# KiCad board FPGA_dev_board.kicad_pcb (continued)
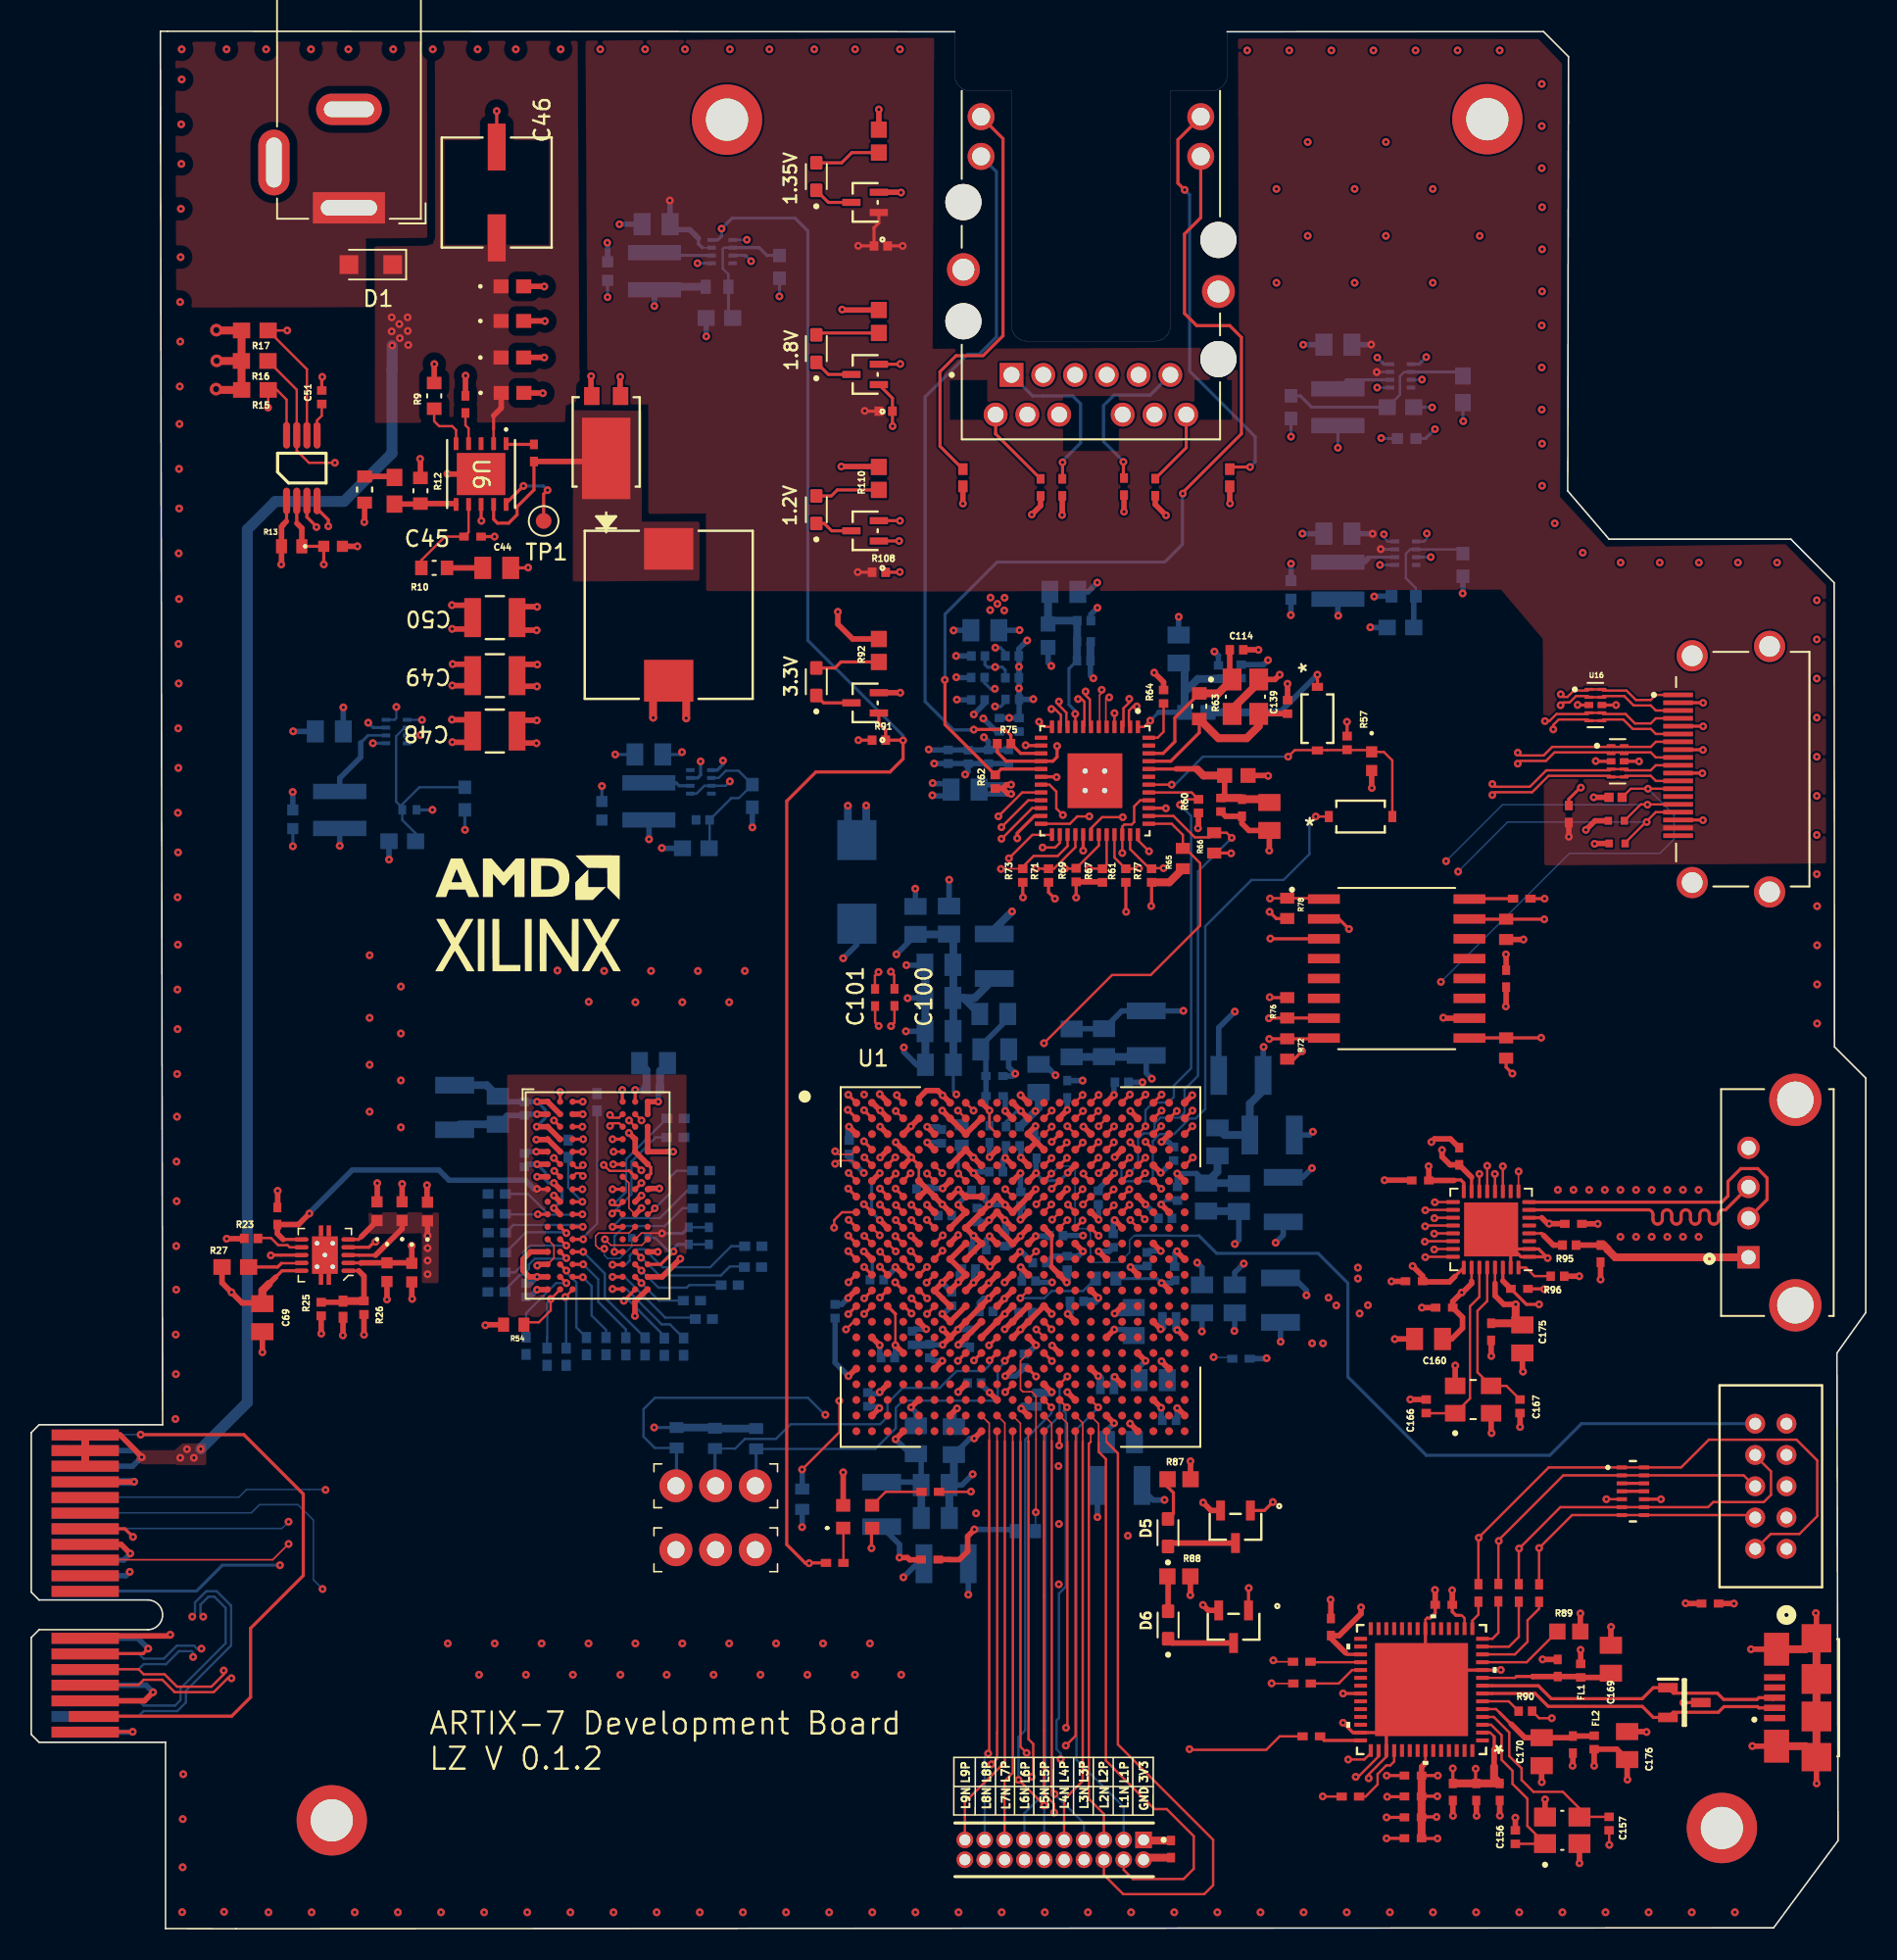
[diagram p0: board, top side]
## Routing (per net, layer and track width the routed paths; a pad name or vN(x,y) marks a point on that pad's centre or on a via; arc(x,y) is an arc through that point) (continued)
  Bottom w0.5: 52.23,69.62 v1(52.23,71.8) ; C95.1 76.33,50.75 C183.1 77.94,52.74 78.79,53.6 C148.2 ; v1(68.25,40.33) 68.03,40.11 67.3,40.11 ; C89.1 27.43,51.44 ; C189.1 77.21,45.88 C188.1 ; v1(6.58,28.58) 6.57,28.57 J2.A4 ; v1(63.32,33.26) 63.45,33.4 C180.1 ; C5.2 57.19,61.6 C4.2 ; C73.1 59.01,28.67 ; C18.2 61.59,63.9 v1(62.73,65.04) ; C187.1 69.25,35.24 v1(69.29,35.28) ; C76.1 57.42,37.34 C85.1 ; 67.24,54.23 v1(67.24,54.23) ; 59.29,34.32 v1(59.28,34.32) ; 53.4,69.63 v1(53.4,71.81) ; 58.72,26.26 58.72,28.36 ; v1(72.24,38.34) 72.34,38.44 C97.1 ; C86.1 40.22,54.86 ; C120.2 67.74,82.27
  vias: v1(9.29,49.05) v1(9.3,46.52) v1(9.27,43.65) v1(9.27,40.86) v1(9.24,37.99) v1(9.25,35.46) v1(9.22,32.59) v1(9.4,76.75) v1(9.41,74.22) v1(9.38,71.35) v1(9.39,68.82) v1(9.36,65.95) v1(9.38,62.92) v1(9.35,60.05) v1(9.36,57.52) v1(9.33,54.65) v1(9.32,51.92) v1(9.5,98.61) v1(9.48,96.21) v1(9.45,93.34) v1(9.46,90.81) v1(9.43,87.94) v1(9.45,85.02) v1(9.42,82.15) v1(9.43,79.62) v1(9.59,115.37) v1(9.6,112.84) v1(9.57,109.97) v1(9.55,106.88) v1(9.52,104.01) v1(9.53,101.48) v1(9.62,120.17) v1(9.62,118.24) v1(9.69,7.01) v1(9.68,3.93) v1(9.65,1.06) v1(9.72,9.88) v1(12.33,1.08) v1(12.49,120.17) v1(15.02,120.17) v1(15.17,1.05) v1(15.32,43.05) v1(17.89,120.17) v1(17.93,1.05) v1(18.24,89.62) v1(19,89.67) v1(20.28,120.17) v1(20.69,1.05) v1(21.64,62.24) v1(21.64,58.24) v1(21.64,55.24) v1(21.64,52.24) v1(22.02,43.92) v1(23.15,120.17) v1(23.45,1.05) v1(23.64,60.24) v1(23.64,57.24) v1(23.64,54.24) v1(23.64,51.24) v1(24.36,40.27) v1(24.87,93.98) v1(25.68,120.17) v1(25.78,100.04) v1(26.21,1.05) v1(26.64,18.24) v1(26.91,84.63) v1(26.91,77.31) v1(26.92,83.11) v1(26.95,80.86) v1(26.93,79.49) v1(26.93,75.87) v1(27.78,99.3) v1(28.55,120.17) v1(28.64,16.24) v1(28.97,1.05) v1(29.64,18.24) v1(30.99,120.17) v1(31.64,16.24) v1(31.72,1.05) v1(32.64,18.24) v1(32.72,98.18) v1(32.85,102.79) v1(32.81,100.46) v1(33.65,61.27) v1(33.86,120.17) v1(34.48,1.05) v1(34.64,16.24) v1(35.65,59.27) v1(35.64,18.24) v1(35.81,99.27) v1(36.39,120.17) v1(36.64,61.24) v1(37.24,1.05) v1(37.67,99.23) v1(37.68,16.24) v1(38.64,59.24) v1(38.64,18.24) v1(39.26,120.17) v1(39.64,61.24) v1(40,1.05) v1(40.64,16.24) v1(41.64,59.24) v1(41.64,18.24) v1(41.81,120.17) v1(42.64,61.24) v1(42.76,1.05) v1(43.64,16.24) v1(44.68,120.17) v1(44.68,73.36) v1(44.64,59.24) v1(44.64,18.24) v1(45.52,1.05) v1(45.64,61.24) v1(46.64,16.24) v1(47.21,120.17) v1(47.64,18.24) v1(48.28,1.05) v1(49.64,16.24) v1(50.08,120.17) v1(50.64,18.24) v1(51.03,1.05) v1(52.69,120.17) v1(52.68,16.24) v1(53.27,53.34) v1(53.64,18.24) v1(53.79,1.05) v1(55.56,120.17) v1(55.64,16.24) v1(56.55,1.05) v1(57.65,73.25) v1(57.63,72.47) v1(59.31,1.05) v1(62.07,1.05) v1(62.55,77.42) v1(63.17,80.69) v1(63.17,79.31) v1(64.83,1.05) v1(67.58,1.05) v1(70.34,1.05) v1(73.1,1.05) v1(75.86,1.05) v1(77.77,120.1) v1(78.62,1.05) v1(79.64,111.24) v1(79.64,105.24) v1(80.46,120.1) v1(81.38,1.05) v1(81.64,114.24) v1(81.64,108.24) v1(83.1,21.04) v1(83.15,120.1) v1(84.14,1.05) v1(84.64,111.24) v1(84.64,105.24) v1(85.84,120.1) v1(86.64,114.24) v1(86.64,108.24) v1(86.68,7.12) v1(86.68,5.78) v1(86.72,8.44) v1(86.89,1.05) v1(88.54,120.1) v1(89.64,111.24) v1(89.64,105.24) v1(89.65,1.05) v1(91.23,120.1) v1(92.44,7.22) v1(92.41,1.05) v1(92.64,108.24) v1(93.92,120.1) v1(93.93,7.23) v1(95.17,1.05) v1(96.61,117.95) v1(96.61,115.26) v1(96.61,112.57) v1(96.63,110.07) v1(96.63,107.38) v1(96.63,104.69) v1(96.61,102.51) v1(96.61,99.82) v1(96.61,97.13) v1(96.63,94.95) v1(96.63,92.26) v1(97.44,89.86) v1(97.64,47.24) v1(97.93,1.05) v1(98.64,47.24) v1(99.11,72.96) v1(99.23,87.98) v1(99.64,47.24) v1(100.64,47.24) v1(100.69,1.05) v1(101.65,87.35) v1(101.64,47.24) v1(101.64,44.24) v1(102.64,47.24) v1(102.64,44.24) v1(103.45,1.05) v1(103.64,47.24) v1(103.64,44.24) v1(104.15,87.35) v1(104.64,47.24) v1(104.64,44.24) v1(105.64,47.24) v1(105.64,44.24) v1(106.2,1.05) v1(106.66,87.35) v1(106.64,47.24) v1(106.64,44.24) v1(106.88,73.88) v1(106.93,76.88) v1(106.92,75.37) v1(106.92,70.88) v1(108.96,1.05) v1(109.16,87.35) v1(111.66,87.35) v1(114.2,84.94) v1(114.2,82.44) v1(114.2,79.94) v1(114.2,77.44) v1(114.2,74.93) v1(114.2,72.43) v1(114.2,69.93) v1(114.2,67.43) v1(114.22,65.38) v1(114.22,62.88) v1(114.22,60.38) v1(114.22,57.88)
VCC1V0: length 55
  Top w0.15: U1.F7 58.77,47.81
  Top w0.2: U1.T10 v1(61.26,37.3) ; U1.N7 58.77,40.81
  Top w0.35: 58.77,40.81 v1(59.29,41.34) 59.77,41.81 U1.M8 U1.L7 U1.K8 ; 59.79,45.78 v1(59.29,46.28) ; U1.D10 61.77,49.81 v1(61.29,49.34) ; U1.J7 U1.H8 ; 57.78,49.8 v1(57.3,50.27) ; U1.E8 59.77,48.81 v1(60.27,48.31) 60.77,47.81 U1.F9 ; U1.N11 62.77,40.81 v1(62.24,40.28) 61.77,39.81 U1.P10 ; v1(58.27,39.31) 58.77,38.81 U1.R7 U1.P8 ; U1.T8 U1.R9 ; 62.77,42.81 v1(63.24,43.28) ; 59.79,37.84 v1(59.29,37.34) ; U1.J9 U1.H10 61.77,45.81 v1(62.27,45.31) 62.77,44.81 U1.J11 ; 58.77,47.81 v1(58.29,47.34)
  Bottom w0.2: C5.1 58.97,53.54 v1(59.17,53.35)
  Bottom w0.35: v1(58.27,39.31) 58.36,39.31 C16.1 ; v1(60.27,48.31) 60.36,48.4 61.28,48.4 ; v1(55.33,62.3) 56.55,63.52 C2.1 ; C14.1 59.29,41.95 v1(59.29,41.34) ; C3.1 57.52,47.34 v1(58.29,47.34) ; v1(59.29,46.28) 59.29,46.36 C11.1 ; v1(63.24,43.28) 63.35,43.28 C9.1 ; 60.47,45.31 60.39,45.22 ; v1(61.29,49.34) 61.29,50.14 61.25,50.19 ; v1(59.29,37.34) 59.89,37.34 C142.1 ; v1(57.3,50.27) 58.16,50.27 C13.1 ; C15.1 62.26,45.3 v1(62.27,45.31) 62.23,45.27 ; C33.1 46.12,70.41 ; v1(61.27,45.31) 61.16,45.2 C10.1 ; v1(51.93,62.05) 52.8,62.92 C1.1 ; 39.5,70.9 L2.2 39.51,70.88 39.51,69.65
  Bottom w0.5: C140.1 59.64,59.51 C7.1 60.34,59.51 C18.1 ; C5.1 58.97,63.32 C6.1 58.68,63.57 C2.1 ; 52.8,64.13 C1.1
  vias: v1(39.51,69.66) v1(46.12,70.42)
VCC1V0_EN: length 53.3
  Top w0.15: v1(15.14,97.26) 15.16,97.28 R15.1 15.71,98.39 16.33,97.77 U4.8
  In5.Cu w0.15: v1(44.24,74.69) 43.36,73.81 31.06,73.81 23.51,81.36 17.22,81.36 15.14,83.44 v1(15.14,97.26)
  Bottom w0.2: v1(44.24,74.69) 44.24,74.44 43.88,74.08 U3.1
VCC1V2: length 38.1
  Top w0.1: 72.56,71.65 v1(72.57,71.64)
  Top w0.15: U1.B7 58.77,51.81 ; 67.78,69.95 67.78,70.36 68.49,71.07 v1(69.81,71.07) ; 59.77,50.81 U1.C8 59.77,50.81 59.77,50.81 ; v1(64.68,69.13) 65.49,69.13 65.78,69.42 65.78,69.95
  Top w0.2: 64.58,71.15 64.16,71.15 63.06,70.05 v1(63.06,69.72) ; 64.58,73.65 65.56,73.65 v1(65.58,73.63) ; 64.58,75.65 63.62,75.65 v1(63.6,75.67) ; U11.39 72.56,71.65
  Top w0.35: 59.77,50.81 U1.B7 ; U1.C4 U1.B5 ; v1(79.11,73.71) 79.08,73.73 FB3.2 ; U1.B9 60.77,51.81 59.77,50.81 ; 62.77,51.81 v1(62.29,52.28) ; 58.77,51.81 v1(58.27,52.31)
  Bottom w0.2: v1(89.6,97.27) 89.58,97.28 R19.1 ; 63.2,83.03 v1(63.21,83.03) ; C132.1 62.31,78.45 62.01,78.15 v1(61.64,78.15) ; L6.2 v1(83.57,94.69) ; C137.1 62.3,80.47 62.1,80.67 v1(61.65,80.67) 61.64,80.66 61.16,80.66 61,80.82 C115.1 ; C131.1 60.98,79.65 61.35,79.28 v1(61.63,79.28) ; v1(89.78,95.88) 89.19,95.28 C58.1 ; C130.1 60.98,78.34 ; C134.1 62.3,81.59 61.98,81.91 v1(61.66,81.91) 61.66,81.82 ; C57.1 v1(80.57,95.4) ; C133.1 61.72,76.55
  Bottom w0.35: C138.1 63.2,83.03 ; 60.98,78.34 v1(60.28,77.64) ; C145.1 62.29,53.1 v1(62.29,52.28) ; v1(58.27,52.31) 59.18,51.4 R68.1 ; 61.72,76.55 v1(60.89,77.38) ; C143.1 62.52,55.09 v1(62.94,54.67) 62.79,54.52 C144.1 ; FB2.2 65.03,80.94 v1(65.24,80.74)
  vias: v1(56.26,51.3) v1(61.35,85.11) v1(61.33,84.31) v1(61.79,84.71) v1(62.25,85.1) v1(62.23,84.29)
VCC1V8: length 57.9
  Top w0.15: 91.55,40.68 v1(91.49,40.68) ; U12.43 85.67,11.23 85.26,10.82 v1(84.23,10.82) ; 93.57,12.28 93.31,12.54 U12.2 ; 92.12,41.4 U13.26 ; U13.29 93.62,41.27
  Top w0.2: C165.1 91.18,48.84 ; 84.06,17.64 84.16,17.54 U12.31 ; 93.56,11.48 93.57,11.49 93.57,12.28 ; 92.38,9.27 v1(92.38,10.23) ; C155.1 v1(90.92,10.25) ; U13.15 92.12,48.05
  Top w0.35: 84.06,17.64 83.12,18.58 C173.1 83.65,18.74 85.05,20.14 v1(85.05,20.55) ; U1.E12 63.77,48.83 v1(63.29,49.31) ; 63.75,41.82 v1(63.28,42.3) ; U1.K12 63.77,43.81 v1(64.24,44.28) ; U1.H12 63.3,45.34 v1(63.27,45.34) ; C160.1 90.85,37.71 91.54,38.4 91.54,39.09 C174.1 90.92,40.11 v1(91.49,40.68) ; 92.12,41.4 92.12,41.25 91.55,40.68 ; 92.12,48.05 C165.1 ; 93.56,11.48 93.56,10.36 ; v1(94.94,39.92) 94.18,39.92 93.62,40.48 93.62,41.27 ; 61.77,43.8 v1(61.29,44.28) ; 91.18,48.84 90.75,48.84 90.23,49.36 v1(90.23,49.79) ; U1.K10 61.77,43.81 ; U1.P12 63.74,39.81 62.77,38.84 U1.R11 62.74,38.81 v1(62.26,38.33)
  Top w0.5: C155.1 C153.1 93.56,9.65 93.56,10.36 ; C161.1 95.27,38.71 C175.1 94.94,39.03 v1(94.94,39.92)
  Bottom w0.35: C19.1 71.31,54.71 v1(71.67,54.35) ; L1.2 83.57,83.97 v1(83.59,83.95) ; v1(62.26,38.33) 63.16,39.22 C26.1 ; C28.1 65.08,44.28 v1(64.24,44.28) ; v1(85.89,85.18) 85.91,85.2 R1.1 ; C27.1 63.36,42.22 v1(63.28,42.3) ; v1(63.29,49.31) 63.29,49.98 C24.1 ; 63.3,45.37 v1(63.27,45.34) 63.27,46.21 ; v1(80.56,83.99) 80.57,84 C34.1 ; v1(61.29,44.28) 61.08,44.07 61.08,43.41 ; C32.1 91.57,85.4 v1(91.55,85.38)
  Bottom w0.5: C20.1 64.43,52.48 63.23,51.28 C29.1 ; 66.54,55.75 71.22,55.75 C19.1
  vias: v1(64.22,52.28)
VCC1V8_EN: length 85.7
  Top w0.15: R16.1 16.98,98.4 U4.7 16.98,94.51 17.76,93.73 v1(19.42,93.73)
  In5.Cu w0.15: v1(19.42,93.73) 21.15,95.46 37.33,95.46 38.13,94.66 38.78,94.66 41.82,91.62 56.21,91.62 59.5,88.33 75.41,88.33 75.66,88.08 83.09,88.08 84.65,86.52 86.57,86.52 v1(89.26,89.21)
  Bottom w0.15: v1(89.26,89.21) 89.26,88.89 89.07,88.7 U2.1
VCC1V35: length 78.5
  Top w0.1: U9.G7 38.22,47.68 38.22,46.08 U9.K8
  Top w0.15: U1.F2 53.77,47.81
  Top w0.2: 38.62,52.91 v1(38.62,53.63) ; U10.2 21.09,42.57 ; U1.J3 54.77,44.81
  Top w0.35: U9.C9 U9.D9 U9.E9 40.64,49.68 v1(41.05,49.68) ; 39.4,43.28 v1(40.08,43.28) ; U1.H6 57.77,45.81 v1(57.29,46.28) ; U1.W3 54.77,34.81 v1(54.27,34.31) ; v1(40.17,47.33) 39.58,47.33 39.53,47.28 ; U9.R9 40.35,41.68 v1(41.51,42.84) ; U9.D2 U9.C1 ; U9.R1 v1(32.35,41.68) 31.85,41.68 31.45,42.08 31.45,42.8 31.93,43.28 33.06,43.28 ; U1.T2 53.77,37.81 v1(54.27,37.31) ; 55.79,41.78 v1(55.27,42.31) ; U1.C1 v1(52.3,51.28) ; v1(24.33,43.67) 24.34,43.66 C64.1 24.31,42.58 C65.1 21.1,42.58 21.09,42.57 ; U9.K8 v1(39.03,46.08) ; U9.K2 v1(33.42,46.08) ; 52.75,40.83 v1(52.25,40.33) ; U9.H2 v1(33.42,47.68) ; 53.77,47.81 v1(54.27,48.31) ; v1(57.24,38.34) 56.77,38.81 U1.R5 ; 54.77,44.81 v1(54.27,45.31) ; U9.F1 v1(32.35,48.88) ; v1(32.35,52.88) U9.A1 U9.B2 ; 57.74,35.78 v1(58.27,36.31) ; R25.1 18.54,38.03 ; 55.75,31.77 v1(55.28,31.3) ; 58.73,32.79 v1(59.21,33.27) ; 33,51.28 v1(32.33,51.28)
  Bottom w0.2: v1(32.35,52.88) 32.88,52.35 32.88,51.83 v1(32.33,51.28) ; v1(54.27,48.31) 53.74,47.78 53.74,45.84 54.27,45.31 v1(54.27,45.31) ; v1(32.35,48.88) 32.87,48.36 32.87,47.9 33.09,47.68 v1(33.42,47.68) 33.95,47.16 33.95,46.6 v1(33.42,46.08) ; R14.1 25.66,71.53 v1(25.66,71.54) ; C54.1 27.73,70.27 v1(27.74,70.26) ; 56.92,28.36 C79.2 ; 39.3,53.63 C86.2 ; 52.31,51.27 v1(52.3,51.28) ; C55.1 v1(16.73,69.21)
  Bottom w0.35: v1(38.62,53.63) 39.3,53.63 ; v1(32.35,48.88) 31.72,48.88 C87.2 ; C89.2 30.19,52.88 C60.2 31.55,52.88 v1(32.35,52.88) ; C88.2 31.94,41.26 v1(32.35,41.68) ; C82.2 55.27,42.24 v1(55.27,42.31) ; C85.2 56.49,38.34 v1(57.24,38.34) ; v1(54.27,34.31) 54.16,34.2 53.58,34.2 C84.2 ; v1(58.27,36.31) 57.66,36.31 C76.2 ; C72.2 56.65,23.34 v1(55.78,22.47) ; v1(55.28,31.3) 56.22,30.37 56.58,30.37 56.92,30.03 C79.2 56.73,28.55 C78.2 ; C81.2 51.83,39.91 v1(52.25,40.33) ; v1(59.21,33.27) 59.01,33.07 C73.2 ; v1(54.27,37.31) 54.27,36.6 C75.2 ; L5.2 v1(19.73,69.24) ; 58.03,45.55 v1(57.29,46.28)
  Bottom w0.5: C91.2 29.13,53.93 C89.2 ; C80.2 56.92,28.36 ; C83.2 52.31,51.27 ; C86.2 39.34,54.9 C90.2
  vias: v1(18.55,38.05)
VCC3V3: length 220.8
  Top w0.15: U12.44 86.17,11.01 84.87,9.71 v1(84.71,9.71) ; U11.40 70.93,72.15 70.54,71.76 70.54,70.76 70.38,70.6 69.91,70.6 69.78,70.47 v1(69.78,68.78) ; 64.58,74.65 64.85,74.65 ; 91.35,20.04 91.49,20.04 91.67,19.86 U12.16 ; 58.73,23.61 58.74,23.6 ; U12.50 89.17,10.6
  Top w0.2: C172.1 90.89,20.27 91.12,20.04 91.35,20.04 ; 91.04,47.88 91.43,47.88 91.62,47.69 U13.16 ; 15.63,41.66 16.04,42.07 U10.10 ; 88.9,5.77 89.94,5.77 ; v1(65.47,65.86) 65.06,66.27 R71.1 ; v1(63.43,65.94) 63.42,65.95 R73.1 ; U12.36 v1(83.9,15.04) ; v1(84.28,63.92) 83.64,64.56 IC1.2 ; v1(70.03,65.02) 70.01,65.04 R61.1 ; 59.36,23.6 59.39,23.63 ; 98.07,45.08 C159.1 ; v1(96.44,39.92) 95.63,39.92 C163.1 ; 64.58,74.65 62.36,74.65 61.78,75.22 R75.1 ; 74.15,29.88 v1(74.14,29.89) ; R78.2 79.63,64.59 v1(79.2,65.02) ; v1(65.61,75.62) 65.61,74.92 65.34,74.65 64.85,74.65 ; U13.30 94.12,41.43 ; v1(84.15,77.17) 84.16,77.16 R57.1 ; v1(79.21,59.56) 79.24,59.53 R76.2 ; v1(71.63,65.39) 71.66,65.41 R77.1 ; 88.89,8.47 89.93,8.47 ; U13.25 91.06,41.71 ; 94.33,62.29 v1(94.32,62.3) ; U13.6 96.61,45.46 ; C150.1 89.96,9.79 v1(89.96,9.79) ; v1(94.73,54.68) 94.33,55.08 R70.2 ; R69.1 v1(66.83,65.93) ; R66.1 76.72,68.78 v1(76.74,68.76) ; 54.19,93.49 R110.2 ; 65.26,42.32 65.26,44.32 ; v1(81.28,56.11) 80.77,55.6 R72.2 ; D4.1 v1(82.26,80.18) ; 65.77,31.81 65.77,31.16 ; 88.84,7.15 89.88,7.15 ; 99.1,17.82 v1(99.09,17.83) ; 74.14,21.34 v1(74.13,21.33)
  Top w0.35: 70.77,46.81 v1(71.27,46.31) ; C150.1 88.92,10.35 89.17,10.6 ; 91,47.84 C162.1 89.39,48.74 v1(89.37,48.75) ; R106.1 100.01,70.84 v1(99.43,70.26) ; 94.12,41.43 C163.1 ; 65.26,44.32 U1.J13 ; 60.32,25.52 59.89,25.09 59.89,24.13 59.39,23.63 ; FL1.1 99.1,17.82 ; R92.2 52.53,82.47 51.59,83.41 v1(51.59,84.2) ; 67.77,45.83 v1(68.27,45.34) ; v1(72.29,50.31) 72.77,50.79 U1.C21 ; v1(73.29,38.28) 73.32,38.28 73.77,37.84 ; v1(69.29,49.34) 69.77,49.81 U1.D18 ; v1(62.67,72.56) 62.48,72.56 62.14,72.91 ; 69.79,39.84 v1(69.29,39.34) ; R88.2 74.14,21.34 ; C146.1 94.33,62.29 ; v1(88.35,42.37) 88.99,41.73 C164.1 89.03,41.36 90.71,41.36 91.06,41.71 ; 65.75,41.8 v1(66.23,41.32) ; C193.2 58.73,23.61 ; v1(99.08,20.16) 99.08,20.16 R89.1 ; R112.2 51.89,103.5 v1(51.86,103.53) ; U1.M14 65.26,42.32 ; 62.14,72.91 62.38,73.15 v1(62.67,73.15) ; 62.14,72.91 R62.1 ; v1(99.96,10.42) FL2.1 101.41,11.48 C176.1 102.07,9.55 v1(102.09,9.53) ; v1(73.29,48.28) 73.77,47.81 ; v1(64.27,48.31) 63.77,47.81 U1.F12 ; 71.75,33.82 v1(72.27,33.31) ; 71.74,43.84 v1(72.24,43.34) ; v1(95.44,63.25) R74.2 ; v1(51.81,93.49) 54.19,93.49 ; 67.74,35.84 v1(68.24,35.34) ; C69.1 14.73,40.01 13.49,40.01 v1(12.81,40.69) 12.2,41.3 R27.1 ; 65.76,51.85 v1(66.26,52.35) ; U1.L17 68.27,43.31 v1(68.27,43.31) ; 61.77,33.81 v1(61.29,34.28) ; 64.75,34.82 v1(65.27,34.31) ; v1(12.5,44.12) 13.6,44.12 R23.1 ; J2.B8 5.75,24.57 v1(6.33,23.99) ; R87.2 74.15,29.88 ; C172.1 90.89,21.63 v1(90.88,21.64) ; R107.1 100.01,69.39 v1(99.99,69.37) ; R58.2 76.66,91.15 v1(76.67,91.13) ; U1.E15 66.77,48.81 v1(66.29,48.34) ; R97.1 v1(99.93,72.34) ; v1(97.09,45.08) 98.07,45.08 ; 63.75,37.82 v1(64.27,37.31) ; 68.75,52.81 v1(69.25,53.31) ; v1(54.21,116.32) R113.2 ; 66.8,38.8 v1(66.29,39.31) ; v1(108.9,20.79) C147.1 ; v1(74.62,70.36) 74.66,70.4 R60.1 ; 58.74,23.6 59.36,23.6 ; 68.78,32.8 v1(69.25,32.32) ; Y4.4 v1(51.93,29.18) ; 72.79,40.84 72.34,41.28 v1(72.29,41.28) ; R67.1 68.48,66.94 R69.1 ; v1(59.58,91.12) R59.2 ; 15.2,41.23 15.63,41.66 ; 96.61,45.46 97,45.07 ; 70.77,36.81 v1(71.27,36.31)
  Top w0.5: C150.1 C151.1 ; C69.1 14.78,40.81 15.2,41.23 ; R65.1 72.78,66.91 R77.1 ; C192.1 71.18,5.64 J8.01
  Bottom w0.2: v1(72.29,41.28) 72.01,41.57 R81.2 ; 60.92,73.14 C126.1 60.89,72.56 ; C37.1 47.86,104.38 v1(47.85,104.37) ; v1(39.84,32.05) 39.85,32.04 R85.2 ; v1(64.27,48.31) 64.27,48.29 64.73,47.83 65.79,47.83 v1(66.29,48.34) ; 59.91,74.47 C136.1 ; 68.2,26.31 68.19,26.3 ; C177.2 60.75,34.83 ; C38.1 v1(36.86,104.32) ; v1(62.67,73.15) 62.66,73.14
  Bottom w0.35: v1(77.55,42.53) 76.97,41.95 C182.2 ; 62.5,74.5 58.65,74.5 C127.1 v1(57.75,74.5) ; J2.A9 5.91,23.57 v1(6.33,23.99) ; 59.91,74.47 59.91,73.98 v1(59.73,73.8) ; v1(39.85,103.75) 39.86,103.76 L3.2 40.05,104.98 ; v1(64.27,37.31) 63.7,36.75 C179.2 ; 70.86,35.07 70.86,35.91 v1(71.27,36.31) ; C59.1 64.27,49.23 v1(64.27,48.31) ; v1(76.98,58.64) 75.95,57.61 C148.1 ; v1(72.27,33.31) 72.27,32.58 C186.2 ; C184.2 68.27,46.29 v1(68.27,45.34) ; 68.19,28.33 v1(68.19,26.32) 68.2,26.31 68.2,26.31 ; C109.2 71.46,43.34 v1(72.24,43.34) ; v1(6.3,22.82) 6.05,22.57 J2.A10 ; 70.53,39.59 70.27,39.34 v1(69.29,39.34) ; v1(69.25,53.31) 69.25,54.06 C106.2 ; v1(72.29,41.28) 72.95,41.28 C96.2 ; v1(62.67,72.56) 60.89,72.56 ; 75.14,47.67 74.53,48.28 v1(73.29,48.28) 73.29,47.45 C107.2 ; 60.75,34.83 v1(61.29,34.28) ; 79.86,77.78 v1(82.26,80.18) ; v1(69.25,32.32) 68.77,31.83 C105.2 ; v1(71.27,46.31) 72.08,45.49 C185.2 ; C103.2 81.32,48.04 v1(81.91,48.63) ; v1(68.27,43.31) 68.94,43.31 C98.2 ; C93.2 80.76,41.61 81.56,40.81 v1(81.56,40.5) ; 62.66,73.14 60.92,73.14 ; v1(79.01,36.48) 78.98,36.45 R80.2 ; C181.2 74.88,42.28 v1(74.57,42.59) ; v1(72.29,50.31) 72.73,50.31 C108.2 ; v1(60.32,25.53) 62.72,25.52 62.72,25.42 ; v1(81.97,50.96) 81.76,50.75 C183.2 ; v1(66.26,52.35) C92.1 ; R86.2 49.31,25.73
  Bottom w0.5: R85.2 43.69,32.04 R84.2 43.75,31.98 R83.2 ; v1(68.24,35.34) 68.38,35.2 C187.2 ; C99.2 66.26,41.35 v1(66.23,41.32) ; v1(73.29,38.28) 73.22,38.36 C97.2 ; C188.2 77.21,47.67 75.14,47.67 75.87,48.41 C95.2 ; v1(66.29,39.31) 66.44,39.45 C178.2 ; v1(65.27,34.31) 65.22,34.26 C180.2 ; R5.1 40.05,104.98 ; FB1.2 79.86,77.78
  vias: v1(49.3,25.68) v1(65.74,30.9) v1(89.88,7.15) v1(89.93,8.47) v1(89.94,5.77)
VCC3V3_EN: length 128.6
  Top w0.15: v1(16.37,102.19) R17.1 17.63,99.71 U4.6
  In2.Cu w0.15: v1(16.37,102.19) 16.37,88.32 22.23,82.46 22.23,77.66 22.6,77.29 v1(24.99,77.29)
  In5.Cu w0.15: 31.19,106 31.17,106.02
  In5.Cu w0.2: 31.17,106.02 29.22,104.07 18.25,104.07 v1(16.37,102.19) ; v1(89.22,100.49) 88.01,99.28 88.01,98.79 86.03,96.81 79.53,96.81 78.11,95.39 78.11,95.38 77.81,95.08 58.89,95.08 55.9,98.07 55.79,98.07 53.84,100.02 51.5,100.02 48.84,102.68 48.84,106.3 47.15,107.99 v1(45.77,107.99) 45.77,108.22 44.39,109.6 40.3,109.6 36.7,106 31.19,106
  Bottom w0.15: v1(24.99,77.29) 24.98,77.3 U7.1 ; v1(45.77,107.99) 45.77,107.99 U5.1
  Bottom w0.2: U8.1 88.77,100.04 v1(89.22,100.49)
VCC5V0: length 97.2
  Top w0.2: v1(52.9,76) 53.78,76 ; 16.31,89.98 16.33,90 U4.1 ; v1(52.86,86.74) 52.87,86.73 53.78,86.73 ; v1(52.89,107.6) 52.89,107.59 R21.2 53.9,108.76 54.21,109.07 MOSFET3.1 ; R7.1 53.33,97.03 v1(53.31,97.05) ; v1(55.73,107.59) R21.1
  Top w0.35: v1(15.99,87.23) 16.01,87.25 R13.1 16.01,89.65 16.1,89.74 16.1,89.77 16.31,89.98 ; 31.05,83.03 32.31,83.03 ; 31.08,84.53 32.34,84.53 ; R8.1 21.32,89.95 21.31,89.94 ; 31.07,79.44 32.33,79.44 ; 31.06,77.27 32.32,77.27 ; 31.09,80.84 32.35,80.84 ; 31.04,75.81 32.3,75.81 ; C191.1 v1(98.34,69.82)
  Top w0.5: v2(11.86,100.25) 11.87,100.24 R16.2 ; v2(11.84,102.21) 11.86,102.19 R17.2 13.45,98.4 R15.2 11.87,98.39 v2(11.82,98.44) ; 41.89,78.92 41.89,77.38 ; 39.77,78.98 39.77,77.44
  In2.Cu w0.2: v1(23.35,78.12) 23.35,78.13 30.07,84.85 41.01,84.85 50.43,94.27 50.43,105.14 v1(52.89,107.6)
  Bottom w0.1: 42.92,107.48 42.93,107.49 U5.7
  Bottom w0.15: v1(23.35,78.12) 23.35,77.41 23.24,77.3 U7.8 ; v1(86.05,99.53) 86.06,99.54 U8.7 ; 42.68,107.72 42.67,107.72
  Bottom w0.2: 42.92,107.48 42.68,107.72 ; U2.7 86.33,88.2 v1(86.31,88.21) ; U3.7 42.62,73.58 42.81,73.77 v1(42.81,74.64) ; v1(41.62,75.23) 41.47,75.08 C31.1 ; U7.7 21.86,76.8 v1(21.55,77.11) ; 42.67,107.72 42.67,108.09
  Bottom w0.35: v1(85.7,101.29) 85.69,101.28 C56.1 ; 42.67,108.09 42.13,108.63 41.22,108.63 C36.1 40.86,110.48 v1(40.84,110.5) ; v1(19.96,78.09) 19.95,78.09 C53.1 ; C30.1 85.78,89.2 v1(85.79,89.19)
  vias: v1(21.3,89.94) v1(32.35,84.52) v1(32.32,83.02) v1(32.36,80.83) v1(32.34,79.43) v1(32.33,77.26) v1(32.31,75.8) v1(39.78,77.43) v1(41.89,77.4)
/ddr3/VTT: length 8
  Top w0.2: 21.11,44.25 20.93,44.07 U10.5 ; U10.3 20.98,43.07 20.99,43.06 22.02,43.06
  Top w0.35: C68.1 23.72,44.76 22.02,43.06 ; v1(25.35,44.31) 25.34,44.32 C67.1 ; 21.11,44.25 22.11,45.25 C66.1
  Top w0.5: 25.32,45.28 C67.1
  Bottom w0.35: 29.22,40.73 R30.1
  vias: v1(25.35,43.52) v1(25.35,42.72) v1(25.35,41.85)
/ddr3/ZQ_TERMINATION: length 7.1
  Top w0.1: v1(36.65,43.48) 36.31,43.48 36.09,43.7 36.09,44.29 36.28,44.48 38.22,44.48 U9.L8
  Bottom w0.1: R22.1 38.41,43.63 37.64,42.85 36.86,42.85 36.65,43.07 v1(36.65,43.48)
/Ethernet/#RESET_N: length 19.9
  Top w0.15: U11.42 v1(72.94,73.15) ; C102.1 86.26,75.25 86.27,75.24 86.51,75.24 87.05,74.7 D3.2 ; 85.33,75.36 80.81,75.36 v1(80.39,74.94)
  Bottom w0.15: v1(72.94,73.15) 73.15,73.15 74.94,74.94 80.35,74.94
/Ethernet/ETH_XI: length 10.1
  Top w0.2: 76.66,80.03 76.8,79.88 ; U11.46 72.39,75.15 73.14,75.9 73.14,77.42 R63.1
  Top w0.35: C114.1 76.66,80.03
  Top w0.5: 76.8,79.88 75.92,78.98 R63.1
/Ethernet/ETH_XO: length 12.1
  Top w0.2: 78.52,77.69 78.5,77.67 ; R63.2 74.7,76.47 72.88,74.65 U11.45
  Top w0.35: C139.1 78.52,77.69
  Top w0.5: 78.5,77.67 78.5,76.88 77.74,76.12 75.93,76.12 R63.2
/Ethernet/TRD1_N: length 27.5
  Top w0.15: v1(70.22,78.63) 70.22,78.4 69.86,78.03 69.86,76.92 U11.3
  In2.Cu w0.1: 69.81,96.8 70.63,95.98 70.63,95.71 arc(70.81,95.28) 71.24,95.1 71.44,95.1 arc(71.59,95.03) 71.65,94.88 71.65,94.86 arc(71.59,94.71) 71.44,94.65 71.24,94.65 arc(70.81,94.47) 70.63,94.03 70.63,94.01 arc(70.81,93.58) 71.24,93.4 71.44,93.4 arc(71.59,93.33) 71.65,93.18 71.65,93.16 arc(71.59,93.01) 71.44,92.95 71.24,92.95 arc(70.81,92.77) 70.63,92.33 70.63,92.31 arc(70.81,91.88) 71.24,91.7 71.44,91.7 arc(71.59,91.63) 71.65,91.48 71.65,91.46 arc(71.59,91.31) 71.44,91.25 71.24,91.25 arc(70.81,91.07) 70.63,90.63 70.63,90.61 arc(70.81,90.18) 71.24,90 71.44,90 arc(71.59,89.93) 71.65,89.78 71.65,89.76 arc(71.59,89.61) 71.44,89.55 71.24,89.55 arc(70.81,89.37) 70.63,88.93 70.63,88.91 arc(70.81,88.48) 71.24,88.3 71.44,88.3 arc(71.59,88.23) 71.65,88.08 71.65,88.06 arc(71.59,87.91) 71.44,87.85 71.24,87.85 arc(70.81,87.67) 70.63,87.23 70.63,78.84 70.42,78.63 v1(70.22,78.63)
/Ethernet/TRD1_P: length 27.5
  Top w0.15: U11.2 70.2,76.92 70.2,77.89 70.47,78.15 v1(70.71,78.15)
  In2.Cu w0.1: v1(70.71,78.15) 70.71,78.35 71.03,78.67 71.03,87.23 arc(71.09,87.38) 71.24,87.45 71.44,87.45 arc(71.87,87.63) 72.05,88.06 72.05,88.08 arc(71.87,88.52) 71.44,88.7 71.24,88.7 arc(71.09,88.76) 71.03,88.91 71.03,88.93 arc(71.09,89.08) 71.24,89.15 71.44,89.15 arc(71.87,89.33) 72.05,89.76 72.05,89.78 arc(71.87,90.22) 71.44,90.4 71.24,90.4 arc(71.09,90.46) 71.03,90.61 71.03,90.63 arc(71.09,90.78) 71.24,90.85 71.44,90.85 arc(71.87,91.03) 72.05,91.46 72.05,91.48 arc(71.87,91.92) 71.44,92.1 71.24,92.1 arc(71.09,92.16) 71.03,92.31 71.03,92.33 arc(71.09,92.48) 71.24,92.55 71.44,92.55 arc(71.87,92.73) 72.05,93.16 72.05,93.18 arc(71.87,93.62) 71.44,93.8 71.24,93.8 arc(71.09,93.86) 71.03,94.01 71.03,94.03 arc(71.09,94.18) 71.24,94.25 71.44,94.25 arc(71.87,94.43) 72.05,94.86 72.05,94.88 arc(71.87,95.32) 71.44,95.5 71.24,95.5 arc(71.09,95.56) 71.03,95.71 71.03,95.98 71.84,96.8
/Ethernet/TRD2_N: length 27.5
  Top w0.1: v1(68.46,79.21) 68.46,79.02 68.33,78.88 68.33,76.9 U11.6
  In2.Cu w0.1: v1(68.46,79.21) 68.66,79.21 68.76,79.31 68.76,95.06 68.23,95.59 68.23,98.36 67.78,98.81 67.78,99.91 68.32,100.45 69.72,100.45 70.83,99.34
/Ethernet/TRD2_P: length 27.5
  Top w0.1: U11.5 68.73,76.9 68.73,78.72 68.75,78.73 v1(68.94,78.73)
  In2.Cu w0.1: v1(68.94,78.73) 68.94,78.93 69.16,79.15 69.16,79.5 arc(69.23,79.66) 69.39,79.72 69.68,79.72 arc(69.84,79.79) 69.91,79.95 arc(69.84,80.11) 69.68,80.17 69.39,80.17 arc(69.23,80.24) 69.16,80.4 arc(69.23,80.56) 69.39,80.62 69.68,80.62 arc(69.84,80.69) 69.91,80.85 arc(69.84,81.01) 69.68,81.07 69.39,81.07 arc(69.23,81.14) 69.16,81.3 arc(69.23,81.46) 69.39,81.53 69.68,81.53 arc(69.84,81.59) 69.91,81.75 arc(69.84,81.91) 69.68,81.97 69.39,81.97 arc(69.23,82.04) 69.16,82.2 arc(69.23,82.36) 69.39,82.42 69.68,82.42 arc(69.84,82.49) 69.91,82.65 arc(69.84,82.81) 69.68,82.88 69.39,82.88 arc(69.23,82.94) 69.16,83.1 69.16,95.22 68.63,95.75 68.63,98.94 arc(68.67,99.16) 68.8,99.34
/Ethernet/TRD3_N: length 27.5
  Top w0.15: U11.8 67.36,76.92 67.36,78.45 67.18,78.63 v1(66.95,78.63)
  In2.Cu w0.1: 64.73,99.34 65.84,98.23 66.85,98.23 67.37,97.71 67.37,95.82 66.7,95.15 66.7,83.03 arc(66.64,82.89) 66.5,82.83 66.3,82.83 arc(65.88,82.65) 65.7,82.23 65.7,82.08 arc(65.88,81.65) 66.3,81.48 66.5,81.48 arc(66.64,81.42) 66.7,81.28 66.7,81.13 arc(66.64,80.99) 66.5,80.93 66.3,80.93 arc(65.88,80.75) 65.7,80.33 65.7,80.18 arc(65.88,79.76) 66.3,79.58 66.5,79.58 arc(66.64,79.52) 66.7,79.38 66.7,79.07 66.95,78.82 v1(66.95,78.63)
/Ethernet/TRD3_P: length 27.5
  Top w0.15: v1(67.43,79.11) 67.43,78.87 67.7,78.6 67.7,76.92 U11.7
  In2.Cu w0.1: v1(67.43,79.11) 67.23,79.11 67.1,79.24 67.1,79.38 arc(66.92,79.8) 66.5,79.98 66.3,79.98 arc(66.16,80.04) 66.1,80.18 66.1,80.33 arc(66.16,80.47) 66.3,80.53 66.5,80.53 arc(66.92,80.71) 67.1,81.13 67.1,81.28 arc(66.92,81.7) 66.5,81.88 66.3,81.88 arc(66.16,81.94) 66.1,82.08 66.1,82.23 arc(66.16,82.37) 66.3,82.43 66.5,82.43 arc(66.92,82.6) 67.1,83.03 67.1,92.68 arc(67.17,92.84) 67.32,92.91 67.39,92.91 arc(67.55,92.97) 67.62,93.13 arc(67.55,93.29) 67.39,93.35 67.32,93.35 arc(67.17,93.42) 67.1,93.58 arc(67.17,93.74) 67.32,93.81 67.39,93.81 arc(67.55,93.87) 67.62,94.03 arc(67.55,94.19) 67.39,94.25 67.32,94.25 arc(67.17,94.32) 67.1,94.48 67.1,94.99 67.77,95.66 67.77,98.33 66.76,99.34
